# Allegro board LED_FIN.brd (continued)
## Routing (per net, layer and track width the routed paths; a pad name or vN(x,y) marks a point on that pad's centre or on a via; arc(x,y) is an arc through that point) (continued)
COL_OUT_C118: length 257.4
  TOP w0.15: D10142.1 v1(41.25,172.8) ; D9362.1 v1(41.25,224.8) ; D9512.1 v1(41.25,214.8) ; D9152.1 v1(41.25,238.8) ; D10022.1 v1(41.25,180.8) ; D9602.1 v1(41.25,208.8) ; D9572.1 v1(41.25,210.8) ; D9902.1 v1(41.25,188.8) ; R242.1 40.7,10.6 v1(41.25,10.6) ; D9182.1 v1(41.25,236.8) ; D9752.1 v1(41.25,198.8) ; D9422.1 v1(41.25,220.8) ; D9662.1 v1(41.25,204.8) ; D9692.1 v1(41.25,202.8) ; D9722.1 v1(41.25,200.8) ; D9542.1 v1(41.25,212.8) ; D9332.1 v1(41.25,226.8) ; D9212.1 v1(41.25,234.8) ; D9392.1 v1(41.25,222.8) ; D9302.1 v1(41.25,228.8) ; D9962.1 v1(41.25,184.8) ; D9242.1 v1(41.25,232.8) ; D9932.1 v1(41.25,186.8) ; D9842.1 v1(41.25,192.8) ; D9812.1 v1(41.25,194.8) ; D10082.1 v1(41.25,176.8) ; D9122.1 v1(41.25,240.8) ; D9482.1 v1(41.25,216.8) ; D9872.1 v1(41.25,190.8) ; D10052.1 v1(41.25,178.8) ; D9452.1 v1(41.25,218.8) ; D10112.1 v1(41.25,174.8) ; D10172.1 v1(41.25,170.8) ; D10202.1 v1(41.25,168.8) ; D9632.1 v1(41.25,206.8) ; D10232.1 v1(41.25,166.8) ; D9992.1 v1(41.25,182.8) ; D9272.1 v1(41.25,230.8) ; D9782.1 v1(41.25,196.8)
  BOTTOM w0.15: v1(41.25,240.8) v1(41.25,238.8) v1(41.25,236.8) v1(41.25,234.8) v1(41.25,232.8) v1(41.25,230.8) v1(41.25,228.8) v1(41.25,226.8) v1(41.25,224.8) v1(41.25,222.8) v1(41.25,220.8) v1(41.25,218.8) v1(41.25,216.8) v1(41.25,214.8) v1(41.25,212.8) v1(41.25,210.8) v1(41.25,208.8) v1(41.25,206.8) v1(41.25,204.8) v1(41.25,202.8) v1(41.25,200.8) v1(41.25,198.8) v1(41.25,196.8) v1(41.25,194.8) v1(41.25,192.8) v1(41.25,190.8) v1(41.25,188.8) v1(41.25,186.8) v1(41.25,184.8) v1(41.25,182.8) v1(41.25,180.8) v1(41.25,178.8) v1(41.25,176.8) v1(41.25,174.8) v1(41.25,172.8) v1(41.25,170.8) v1(41.25,168.8) v1(41.25,166.8) v1(41.25,10.6)
COL_OUT_C119: length 257.4
  TOP w0.15: D9661.1 v1(39.25,204.8) ; D9751.1 v1(39.25,198.8) ; D9451.1 v1(39.25,218.8) ; D9361.1 v1(39.25,224.8) ; D10051.1 v1(39.25,178.8) ; D9181.1 v1(39.25,236.8) ; D9481.1 v1(39.25,216.8) ; D9541.1 v1(39.25,212.8) ; D10021.1 v1(39.25,180.8) ; D9121.1 v1(39.25,240.8) ; D9241.1 v1(39.25,232.8) ; D10231.1 v1(39.25,166.8) ; D9511.1 v1(39.25,214.8) ; D10141.1 v1(39.25,172.8) ; D9301.1 v1(39.25,228.8) ; D9691.1 v1(39.25,202.8) ; D9331.1 v1(39.25,226.8) ; D9271.1 v1(39.25,230.8) ; D9871.1 v1(39.25,190.8) ; D10171.1 v1(39.25,170.8) ; R241.1 38.7,10.6 v1(39.25,10.6) ; D9811.1 v1(39.25,194.8) ; D9601.1 v1(39.25,208.8) ; D9781.1 v1(39.25,196.8) ; D9721.1 v1(39.25,200.8) ; D9631.1 v1(39.25,206.8) ; D10201.1 v1(39.25,168.8) ; D10081.1 v1(39.25,176.8) ; D9571.1 v1(39.25,210.8) ; D9421.1 v1(39.25,220.8) ; D9151.1 v1(39.25,238.8) ; D9991.1 v1(39.25,182.8) ; D9961.1 v1(39.25,184.8) ; D10111.1 v1(39.25,174.8) ; D9391.1 v1(39.25,222.8) ; D9841.1 v1(39.25,192.8) ; D9931.1 v1(39.25,186.8) ; D9211.1 v1(39.25,234.8) ; D9901.1 v1(39.25,188.8)
  BOTTOM w0.15: v1(39.25,240.8) v1(39.25,238.8) v1(39.25,236.8) v1(39.25,234.8) v1(39.25,232.8) v1(39.25,230.8) v1(39.25,228.8) v1(39.25,226.8) v1(39.25,224.8) v1(39.25,222.8) v1(39.25,220.8) v1(39.25,218.8) v1(39.25,216.8) v1(39.25,214.8) v1(39.25,212.8) v1(39.25,210.8) v1(39.25,208.8) v1(39.25,206.8) v1(39.25,204.8) v1(39.25,202.8) v1(39.25,200.8) v1(39.25,198.8) v1(39.25,196.8) v1(39.25,194.8) v1(39.25,192.8) v1(39.25,190.8) v1(39.25,188.8) v1(39.25,186.8) v1(39.25,184.8) v1(39.25,182.8) v1(39.25,180.8) v1(39.25,178.8) v1(39.25,176.8) v1(39.25,174.8) v1(39.25,172.8) v1(39.25,170.8) v1(39.25,168.8) v1(39.25,166.8) v1(39.25,10.6)
DC_FPGA: length 167.8
  TOP w2.5: J10.1 J12.1
  BOTTOM w0.9: 21.7,39.1 SW1.2
  BOTTOM w2.5: J12.1 35.45,7.3
  BOTTOM w3: 35.45,7.3 35.45,38.1 34.45,39.1 21.7,39.1
DC_LED: length 58.4
  TOP w0.279: 21.8,26.64 U515.1
  TOP w0.4: 28.95,18.59 M1.3
  TOP w0.5: 20.55,29.5 CVCC.1 ; 33.95,32.55 RPOWER.1
  TOP w0.6: CIN.1 20.55,31.3
  TOP w1.5: 32.2,35.85 25.1,35.85 20.55,31.3 20.55,29.5 v2(22.25,29.5) ; 32.2,35.85 v2(33,35.85) 35.1,35.85 35.2,35.75 35.2,33.8 33.95,32.55 ; 32.2,35.85 32.2,38.55 DS1.2 ; v2(33,18.8) 29.75,18.8 29.68,18.73 29.09,18.73 28.95,18.59 ; v2(22.25,26.64) 21.8,26.64
  BOTTOM w1.5: v2(33,18.8) v2(33,35.85) ; v2(22.25,29.5) v2(22.25,26.64)
ROW_CON_A0: length 267.5
  TOP w0.2: J1.1 33.4,93.15 33.35,93.2 33.35,316.4 35.8,318.85 U38.2
ROW_CON_A1: length 272.1
  TOP w0.2: U37.2 35.8,320.85 32.65,317.7 32.65,91.71 32.73,91.63 73.2,91.63 73.45,91.88 J1.2
ROW_CON_A2: length 276.5
  TOP w0.2: J1.3 73.45,90.61 73.2,90.36 32.13,90.36 32.05,90.44 32.05,319.55 35.35,322.85 U36.2
ROW_CON_A3: length 282.7
  TOP w0.2: U35.2 31.65,324.85 31.45,324.65 31.45,89.17 31.53,89.09 73.2,89.09 73.45,89.34 J1.4
ROW_CON_A4: length 287.2
  TOP w0.2: U34.2 31.05,326.85 30.85,326.65 30.85,87.9 30.93,87.82 73.2,87.82 73.45,88.07 J1.5
ROW_CON_A5: length 291.7
  TOP w0.2: J1.6 73.45,86.8 73.2,86.55 30.33,86.55 30.25,86.63 30.25,328.65 30.45,328.85 U33.2
ROW_CON_A6: length 296.2
  TOP w0.2: U32.2 29.85,330.85 29.65,330.65 29.65,85.36 29.73,85.28 73.2,85.28 73.45,85.53 J1.7
ROW_CON_A7: length 300.6
  TOP w0.2: U31.2 29.25,332.85 29.05,332.65 29.05,84.09 29.13,84.01 73.2,84.01 73.45,84.26 J1.8
ROW_CON_A8: length 305.1
  TOP w0.2: J1.9 73.45,82.99 73.2,82.74 28.53,82.74 28.45,82.82 28.45,334.65 28.65,334.85 U30.2
ROW_CON_A9: length 309.6
  TOP w0.2: J1.10 73.45,81.72 73.2,81.47 27.93,81.47 27.85,81.55 27.85,336.65 28.05,336.85 U29.2
ROW_CON_A10: length 314
  TOP w0.2: U28.2 27.45,338.85 27.25,338.65 27.25,80.28 27.33,80.2 73.2,80.2 73.45,80.45 J1.11
ROW_CON_A11: length 318.5
  TOP w0.2: U27.2 26.85,340.85 26.65,340.65 26.65,79.01 26.73,78.93 73.2,78.93 73.45,79.18 J1.12
ROW_CON_A12: length 323
  TOP w0.2: U26.2 26.25,342.85 26.05,342.65 26.05,77.74 26.13,77.66 73.2,77.66 73.45,77.91 J1.13
ROW_CON_A13: length 327.4
  TOP w0.2: J1.14 73.45,76.64 73.2,76.39 25.53,76.39 25.45,76.47 25.45,344.65 25.65,344.85 U25.2
ROW_CON_A14: length 331.9
  TOP w0.2: U24.2 25.05,346.85 24.85,346.65 24.85,75.2 24.93,75.12 73.2,75.12 73.45,75.37 J1.15
ROW_CON_A15: length 336.4
  TOP w0.2: U23.2 24.45,348.85 24.25,348.65 24.25,73.93 24.33,73.85 73.2,73.85 73.45,74.1 J1.16
ROW_CON_A16: length 340.9
  TOP w0.2: J1.17 73.45,72.83 73.2,72.58 23.73,72.58 23.65,72.66 23.65,350.65 23.85,350.85 U22.2
ROW_CON_A17: length 345.3
  TOP w0.2: U21.2 23.25,352.85 23.05,352.65 23.05,71.39 23.13,71.31 73.2,71.31 73.45,71.56 J1.18
ROW_CON_A18: length 349.7
  TOP w0.2: U20.2 22.65,354.85 22.5,354.7 22.5,70.14 22.55,70.09 73.25,70.09 73.45,70.29 J1.19
ROW_CON_A19: length 353.5
  TOP w0.2: J1.20 22.15,69.02 22.1,69.07 22.1,356.8 22.15,356.85 U19.2
ROW_CON_A20: length 358
  TOP w0.2: U18.2 21.55,358.85 21.5,358.8 21.5,67.8 21.55,67.75 J1.21
ROW_CON_A21: length 362.5
  TOP w0.2: U17.2 20.95,360.85 20.9,360.8 20.9,66.53 20.95,66.48 J1.22
ROW_CON_A22: length 366.9
  TOP w0.2: J1.23 20.35,65.21 20.3,65.26 20.3,362.8 20.35,362.85 U16.2
ROW_CON_A23: length 371.4
  TOP w0.2: J1.24 19.75,63.94 19.7,63.99 19.7,364.8 19.75,364.85 U15.2
ROW_CON_A24: length 375.9
  TOP w0.2: J1.25 19.15,62.67 19.1,62.72 19.1,366.8 19.15,366.85 U14.2
ROW_CON_A25: length 380.3
  TOP w0.2: U13.2 18.55,368.85 18.5,368.8 18.5,61.45 18.55,61.4 J1.26
ROW_CON_A26: length 384.8
  TOP w0.2: U12.2 17.95,370.85 17.9,370.8 17.9,60.18 17.95,60.13 J1.27
ROW_CON_A27: length 389.3
  TOP w0.2: J1.28 17.35,58.86 17.3,58.91 17.3,372.8 17.35,372.85 U11.2
ROW_CON_A28: length 393.8
  TOP w0.2: J1.29 16.75,57.59 16.7,57.64 16.7,374.8 16.75,374.85 U10.2
ROW_CON_A29: length 398.2
  TOP w0.2: U9.2 16.15,376.85 16.1,376.8 16.1,56.37 16.15,56.32 J1.30
ROW_CON_A30: length 402.7
  TOP w0.2: U8.2 15.55,378.85 15.5,378.8 15.5,55.1 15.55,55.05 J1.31
ROW_CON_A31: length 407.2
  TOP w0.2: U7.2 14.95,380.85 14.9,380.8 14.9,53.83 14.95,53.78 J1.32
ROW_CON_A32: length 411.6
  TOP w0.2: J1.33 14.35,52.51 14.3,52.56 14.3,382.8 14.35,382.85 U6.2
ROW_CON_A33: length 416.1
  TOP w0.2: U5.2 13.75,384.85 13.7,384.8 13.7,51.29 13.75,51.24 J1.34
ROW_CON_A34: length 420.6
  TOP w0.2: U4.2 13.15,386.85 13.1,386.8 13.1,50.02 13.15,49.97 J1.35
ROW_CON_A35: length 425
  TOP w0.2: U3.2 12.55,388.85 12.5,388.8 12.5,48.75 12.55,48.7 J1.36
ROW_CON_A36: length 429.5
  TOP w0.2: J1.37 11.95,47.43 11.9,47.48 11.9,390.8 11.95,390.85 U2.2
ROW_CON_A37: length 434
  TOP w0.2: J1.38 11.35,46.16 11.3,46.21 11.3,392.8 11.35,392.85 U1.2
ROW_CON_B0: length 194.7
  TOP w0.2: U76.2 277.75,242.4 277.85,242.3 281.55,242.3 281.7,242.15 281.7,93.2 281.65,93.15 J2.41
ROW_CON_B1: length 199.6
  TOP w0.2: U75.2 277.75,244.4 277.85,244.3 282.15,244.3 282.35,244.1 282.35,91.71 282.27,91.63 241.37,91.63 241.12,91.88 J2.42
ROW_CON_B2: length 204.1
  TOP w0.2: U74.2 277.75,246.4 277.85,246.3 282.75,246.3 282.95,246.1 282.95,90.44 282.87,90.36 241.37,90.36 241.12,90.61 J2.43
ROW_CON_B3: length 208.5
  TOP w0.2: U73.2 277.75,248.4 277.85,248.3 283.35,248.3 283.55,248.1 283.55,89.17 283.47,89.09 241.37,89.09 241.12,89.34 J2.44
ROW_CON_B4: length 213
  TOP w0.2: U72.2 277.75,250.4 277.85,250.3 283.95,250.3 284.15,250.1 284.15,87.9 284.07,87.82 241.37,87.82 241.12,88.07 J2.45
ROW_CON_B5: length 217.5
  TOP w0.2: J2.46 241.12,86.8 241.37,86.55 284.67,86.55 284.75,86.63 284.75,252.1 284.55,252.3 277.85,252.3 277.75,252.4 U71.2
ROW_CON_B6: length 221.9
  TOP w0.2: U70.2 277.75,254.4 277.85,254.3 285.15,254.3 285.35,254.1 285.35,85.36 285.27,85.28 241.37,85.28 241.12,85.53 J2.47
ROW_CON_B7: length 226.4
  TOP w0.2: U69.2 277.75,256.4 277.85,256.3 285.75,256.3 285.95,256.1 285.95,84.09 285.87,84.01 241.37,84.01 241.12,84.26 J2.48
ROW_CON_B8: length 230.9
  TOP w0.2: J2.49 241.12,82.99 241.37,82.74 286.47,82.74 286.55,82.82 286.55,258.1 286.35,258.3 277.85,258.3 277.75,258.4 U68.2
ROW_CON_B9: length 235.3
  TOP w0.2: U67.2 277.75,260.4 277.85,260.3 286.95,260.3 287.15,260.1 287.15,81.55 287.07,81.47 241.37,81.47 241.12,81.72 J2.50
ROW_CON_B10: length 239.8
  TOP w0.2: U66.2 277.75,262.4 277.85,262.3 287.55,262.3 287.75,262.1 287.75,80.28 287.67,80.2 241.37,80.2 241.12,80.45 J2.51
ROW_CON_B11: length 244.3
  TOP w0.2: J2.52 241.12,79.18 241.37,78.93 288.27,78.93 288.35,79.01 288.35,264.1 288.15,264.3 277.85,264.3 277.75,264.4 U65.2
ROW_CON_B12: length 248.8
  TOP w0.2: U64.2 277.75,266.4 277.85,266.3 288.75,266.3 288.95,266.1 288.95,77.74 288.87,77.66 241.37,77.66 241.12,77.91 J2.53
ROW_CON_B13: length 253.2
  TOP w0.2: J2.54 241.12,76.64 241.37,76.39 289.47,76.39 289.55,76.47 289.55,268.1 289.35,268.3 277.85,268.3 277.75,268.4 U63.2
ROW_CON_B14: length 257.7
  TOP w0.2: U62.2 277.75,270.4 277.85,270.3 289.95,270.3 290.15,270.1 290.15,75.2 290.07,75.12 241.37,75.12 241.12,75.37 J2.55
ROW_CON_B15: length 262.2
  TOP w0.2: U61.2 277.75,272.4 277.85,272.3 290.55,272.3 290.75,272.1 290.75,73.93 290.67,73.85 241.37,73.85 241.12,74.1 J2.56
ROW_CON_B16: length 266.6
  TOP w0.2: J2.57 241.12,72.83 241.37,72.58 291.27,72.58 291.35,72.66 291.35,274.1 291.15,274.3 277.85,274.3 277.75,274.4 U60.2
ROW_CON_B17: length 271.1
  TOP w0.2: J2.58 241.12,71.56 241.37,71.31 291.87,71.31 291.95,71.39 291.95,276.1 291.75,276.3 277.85,276.3 277.75,276.4 U59.2
ROW_CON_B18: length 275.4
  TOP w0.2: U58.2 277.75,278.4 277.85,278.3 292.35,278.3 292.5,278.15 292.5,70.14 292.45,70.09 241.32,70.09 241.12,70.29 J2.59
ROW_CON_B19: length 279.3
  TOP w0.2: J2.60 292.85,69.02 292.9,69.07 292.9,280.25 292.85,280.3 277.85,280.3 277.75,280.4 U57.2
ROW_CON_B20: length 283.8
  TOP w0.2: U56.2 277.75,282.4 277.85,282.3 293.45,282.3 293.5,282.25 293.5,67.8 293.45,67.75 J2.61
ROW_CON_B21: length 288.2
  TOP w0.2: U55.2 277.75,284.4 277.85,284.3 294.05,284.3 294.1,284.25 294.1,66.53 294.05,66.48 J2.62
ROW_CON_B22: length 292.7
  TOP w0.2: J2.63 294.65,65.21 294.7,65.26 294.7,286.25 294.65,286.3 277.85,286.3 277.75,286.4 U54.2
ROW_CON_B23: length 297.2
  TOP w0.2: U53.2 277.75,288.4 277.85,288.3 295.25,288.3 295.3,288.25 295.3,63.99 295.25,63.94 J2.64
ROW_CON_B24: length 301.6
  TOP w0.2: U52.2 277.75,290.4 277.85,290.3 295.85,290.3 295.9,290.25 295.9,62.72 295.85,62.67 J2.65
ROW_CON_B25: length 306.1
  TOP w0.2: J2.66 296.45,61.4 296.5,61.45 296.5,292.25 296.45,292.3 277.85,292.3 277.75,292.4 U51.2
ROW_CON_B26: length 310.6
  TOP w0.2: U50.2 277.75,294.4 277.85,294.3 297.05,294.3 297.1,294.25 297.1,60.18 297.05,60.13 J2.67
ROW_CON_B27: length 315.1
  TOP w0.2: U49.2 277.75,296.4 277.85,296.3 297.65,296.3 297.7,296.25 297.7,58.91 297.65,58.86 J2.68
ROW_CON_B28: length 319.5
  TOP w0.2: U48.2 277.75,298.4 277.85,298.3 298.25,298.3 298.3,298.25 298.3,57.64 298.25,57.59 J2.69
ROW_CON_B29: length 324
  TOP w0.2: J2.70 298.85,56.32 298.9,56.37 298.9,300.25 298.85,300.3 277.85,300.3 277.75,300.4 U47.2
ROW_CON_B30: length 328.5
  TOP w0.2: U46.2 277.75,302.4 277.85,302.3 299.45,302.3 299.5,302.25 299.5,55.1 299.45,55.05 J2.71
ROW_CON_B31: length 332.9
  TOP w0.2: U45.2 277.75,304.4 277.85,304.3 300.05,304.3 300.1,304.25 300.1,53.83 300.05,53.78 J2.72
ROW_CON_B32: length 337.4
  TOP w0.2: J2.73 300.65,52.51 300.7,52.56 300.7,306.25 300.65,306.3 277.85,306.3 277.75,306.4 U44.2
ROW_CON_B33: length 341.9
  TOP w0.2: J2.74 301.25,51.24 301.3,51.29 301.3,308.25 301.25,308.3 277.85,308.3 277.75,308.4 U43.2
ROW_CON_B34: length 346.3
  TOP w0.2: J2.75 301.85,49.97 301.9,50.02 301.9,310.25 301.85,310.3 277.85,310.3 277.75,310.4 U42.2
ROW_CON_B35: length 350.8
  TOP w0.2: J2.76 302.45,48.7 302.5,48.75 302.5,312.25 302.45,312.3 277.85,312.3 277.75,312.4 U41.2
ROW_CON_B36: length 355.3
  TOP w0.2: J2.77 303.05,47.43 303.1,47.48 303.1,314.25 303.05,314.3 277.85,314.3 277.75,314.4 U40.2
ROW_CON_B37: length 359.8
  TOP w0.2: J2.78 303.65,46.16 303.7,46.21 303.7,316.25 303.65,316.3 277.85,316.3 277.75,316.4 U39.2
ROW_CON_C0: length 112.8
  TOP w0.15: J1.41 74.72,93.8 38.1,93.8 34.25,97.65 34.25,162.63 35.85,164.23 U86.2
ROW_CON_C1: length 121.3
  TOP w0.15: J1.42 74.75,92.5 34.07,92.5 33.8,92.23 v2(33.25,92.23) ; U85.2 v2(33.9,168.85)
  BOTTOM w0.15: v2(33.25,92.23) 33.25,168.2 v2(33.9,168.85)
ROW_CON_C2: length 125.4
  TOP w0.15: J1.43 74.75,91.23 33.47,91.23 33.2,90.96 v2(32.65,90.96) ; U84.2 v2(33.9,170.85)
  BOTTOM w0.15: v2(33.9,170.85) 32.65,169.6 v2(32.65,90.96)
ROW_CON_C3: length 129.6
  TOP w0.15: U83.2 v2(33.9,172.85) ; J1.44 74.75,89.96 32.87,89.96 32.6,89.69 v2(32.05,89.69)
  BOTTOM w0.15: v2(33.9,172.85) 32.05,171 v2(32.05,89.69)
ROW_CON_C4: length 133.7
  TOP w0.15: v2(31.45,88.42) 32,88.42 32.27,88.69 74.75,88.69 J1.45 ; U82.2 v2(33.9,174.85)
  BOTTOM w0.15: v2(33.9,174.85) 31.45,172.4 v2(31.45,88.42)
ROW_CON_C5: length 137.8
  TOP w0.15: v2(30.85,87.15) 31.4,87.15 31.67,87.42 74.75,87.42 J1.46 ; U81.2 v2(33.9,176.85)
  BOTTOM w0.15: v2(30.85,87.15) 30.85,173.8 v2(33.9,176.85)
ROW_CON_C6: length 143.9
  TOP w0.15: J1.47 74.75,86.15 31.07,86.15 30.8,85.88 v2(30.25,85.88) ; U80.2 v2(33.9,178.85)
  BOTTOM w0.15: v2(33.9,178.85) 30.45,178.85 30.25,178.65 v2(30.25,85.88)
ROW_CON_C7: length 148.4
  TOP w0.15: U79.2 v2(33.9,180.85) ; v2(29.65,84.61) 30.2,84.61 30.47,84.88 74.75,84.88 J1.48
  BOTTOM w0.15: v2(29.65,84.61) 29.65,180.65 29.85,180.85 v2(33.9,180.85)
ROW_CON_C8: length 152.9
  TOP w0.15: v2(29.05,83.34) 29.6,83.34 29.87,83.61 74.75,83.61 J1.49 ; U78.2 v2(33.9,182.85)
  BOTTOM w0.15: v2(33.9,182.85) 29.25,182.85 29.05,182.65 v2(29.05,83.34)
ROW_CON_C9: length 157.4
  TOP w0.15: v2(28.45,82.07) 29,82.07 29.27,82.34 74.75,82.34 J1.50 ; U77.2 v2(33.9,184.85)
  BOTTOM w0.15: v2(28.45,82.07) 28.45,184.65 28.65,184.85 v2(33.9,184.85)
ROW_CON_C10: length 161.8
  TOP w0.15: U114.2 v2(33.9,186.85) ; v2(27.85,80.8) 28.4,80.8 28.67,81.07 74.75,81.07 J1.51
  BOTTOM w0.15: v2(33.9,186.85) 28.05,186.85 27.85,186.65 v2(27.85,80.8)
ROW_CON_C11: length 166.3
  TOP w0.15: U113.2 v2(33.9,188.85) ; J1.52 74.75,79.8 28.07,79.8 27.8,79.53 v2(27.25,79.53)
  BOTTOM w0.15: v2(33.9,188.85) 27.45,188.85 27.25,188.65 v2(27.25,79.53)
ROW_CON_C12: length 170.8
  TOP w0.15: U112.2 v2(33.9,190.85) ; J1.53 74.75,78.53 27.47,78.53 27.2,78.26 v2(26.65,78.26)
  BOTTOM w0.15: v2(33.9,190.85) 26.85,190.85 26.65,190.65 v2(26.65,78.26)
ROW_CON_C13: length 175.2
  TOP w0.15: U111.2 v2(33.9,192.85) ; v2(26.05,76.99) 26.6,76.99 26.87,77.26 74.75,77.26 J1.54
  BOTTOM w0.15: v2(26.05,76.99) 26.05,192.65 26.25,192.85 v2(33.9,192.85)
ROW_CON_C14: length 179.7
  TOP w0.15: v2(25.45,75.72) 26,75.72 26.27,75.99 74.75,75.99 J1.55 ; U110.2 v2(33.9,194.85)
  BOTTOM w0.15: v2(25.45,75.72) 25.45,194.65 25.65,194.85 v2(33.9,194.85)
ROW_CON_C15: length 184.2
  TOP w0.15: U109.2 v2(33.9,196.85) ; J1.56 74.75,74.72 25.67,74.72 25.4,74.45 v2(24.85,74.45)
  BOTTOM w0.15: v2(24.85,74.45) 24.85,196.65 25.05,196.85 v2(33.9,196.85)
ROW_CON_C16: length 188.6
  TOP w0.15: J1.57 74.75,73.45 25.07,73.45 24.8,73.18 v2(24.25,73.18) ; U108.2 v2(33.9,198.85)
  BOTTOM w0.15: v2(33.9,198.85) 24.45,198.85 24.25,198.65 v2(24.25,73.18)
ROW_CON_C17: length 193.1
  TOP w0.15: U107.2 v2(33.9,200.85) ; J1.58 74.75,72.18 24.47,72.18 24.2,71.91 v2(23.65,71.91)
  BOTTOM w0.15: v2(33.9,200.85) 23.85,200.85 23.65,200.65 v2(23.65,71.91)
ROW_CON_C18: length 197.6
  TOP w0.15: J1.59 74.75,70.91 23.87,70.91 23.6,70.64 v2(23.05,70.64) ; U106.2 v2(33.9,202.85)
  BOTTOM w0.15: v2(23.05,70.64) 23.05,202.65 23.25,202.85 v2(33.9,202.85)
ROW_CON_C19: length 152.3
  TOP w0.15: U105.2 277.8,204.85 281.15,201.5 281.15,97.85 277.07,93.77 239.82,93.77 J2.1
ROW_CON_C20: length 161.1
  TOP w0.15: U104.2 277.75,206.4 277.85,206.3 v2(281.15,206.3) ; v2(281.75,92.23) 281.2,92.23 280.93,92.5 239.82,92.5 J2.2
  BOTTOM w0.15: v2(281.15,206.3) 281.75,205.7 v2(281.75,92.23)
ROW_CON_C21: length 165.2
  TOP w0.15: U103.2 277.75,208.4 277.85,208.3 v2(281.15,208.3) ; J2.3 239.82,91.23 281.53,91.23 281.8,90.96 v2(282.35,90.96)
  BOTTOM w0.15: v2(281.15,208.3) 282.35,207.1 v2(282.35,90.96)
ROW_CON_C22: length 169.4
  TOP w0.15: U102.2 277.75,210.4 277.85,210.3 v2(281.15,210.3) ; J2.4 239.82,89.96 282.13,89.96 282.4,89.69 v2(282.95,89.69)
  BOTTOM w0.15: v2(281.15,210.3) 282.95,208.5 v2(282.95,89.69)
ROW_CON_C23: length 173.5
  TOP w0.15: v2(283.55,88.42) 283,88.42 282.73,88.69 239.82,88.69 J2.5 ; U101.2 277.75,212.4 277.85,212.3 v2(281.15,212.3)
  BOTTOM w0.15: v2(283.55,88.42) 283.55,209.9 v2(281.15,212.3)
ROW_CON_C24: length 177.6
  TOP w0.15: v2(281.15,214.3) 277.85,214.3 277.75,214.4 U100.2 ; J2.6 239.82,87.42 283.33,87.42 283.6,87.15 v2(284.15,87.15)
  BOTTOM w0.15: v2(284.15,87.15) 284.15,211.3 v2(281.15,214.3)
ROW_CON_C25: length 181.7
  TOP w0.15: J2.7 239.82,86.15 283.93,86.15 284.2,85.88 v2(284.75,85.88) ; v2(281.15,216.3) 277.85,216.3 277.75,216.4 U99.2
  BOTTOM w0.15: v2(281.15,216.3) 284.75,212.7 v2(284.75,85.88)
ROW_CON_C26: length 188.2
  TOP w0.15: U98.2 277.75,218.4 277.85,218.3 v2(281.15,218.3) ; J2.8 239.82,84.88 284.53,84.88 284.8,84.61 v2(285.35,84.61)
  BOTTOM w0.15: v2(285.35,84.61) 285.35,218.1 285.15,218.3 v2(281.15,218.3)
ROW_CON_C27: length 192.7
  TOP w0.15: U97.2 277.75,220.4 277.85,220.3 v2(281.15,220.3) ; v2(285.95,83.34) 285.4,83.34 285.13,83.61 239.82,83.61 J2.9
  BOTTOM w0.15: v2(281.15,220.3) 285.75,220.3 285.95,220.1 v2(285.95,83.34)
ROW_CON_C28: length 197.1
  TOP w0.15: v2(286.55,82.07) 286,82.07 285.73,82.34 239.82,82.34 J2.10 ; v2(281.15,222.3) 277.85,222.3 277.75,222.4 U96.2
  BOTTOM w0.15: v2(286.55,82.07) 286.55,222.1 286.35,222.3 v2(281.15,222.3)
ROW_CON_C29: length 201.6
  TOP w0.15: v2(287.15,80.8) 286.6,80.8 286.33,81.07 239.82,81.07 J2.11 ; v2(281.15,224.3) 277.85,224.3 277.75,224.4 U95.2
  BOTTOM w0.15: v2(287.15,80.8) 287.15,224.1 286.95,224.3 v2(281.15,224.3)
ROW_CON_C30: length 206.1
  TOP w0.15: v2(287.75,79.53) 287.2,79.53 286.93,79.8 239.82,79.8 J2.12 ; U94.2 277.75,226.4 277.85,226.3 v2(281.15,226.3)
  BOTTOM w0.15: v2(287.75,79.53) 287.75,226.1 287.55,226.3 v2(281.15,226.3)
ROW_CON_C31: length 210.5
  TOP w0.15: v2(288.35,78.26) 287.8,78.26 287.53,78.53 239.82,78.53 J2.13 ; U93.2 277.75,228.4 277.85,228.3 v2(281.15,228.3)
  BOTTOM w0.15: v2(288.35,78.26) 288.35,228.1 288.15,228.3 v2(281.15,228.3)
ROW_CON_C32: length 215
  TOP w0.15: v2(288.95,76.99) 288.4,76.99 288.13,77.26 239.82,77.26 J2.14 ; v2(281.15,230.3) 277.85,230.3 277.75,230.4 U92.2
  BOTTOM w0.15: v2(281.15,230.3) 288.75,230.3 288.95,230.1 v2(288.95,76.99)
ROW_CON_C33: length 219.5
  TOP w0.15: J2.15 239.82,75.99 288.73,75.99 289,75.72 v2(289.55,75.72) ; U91.2 277.75,232.4 277.85,232.3 v2(281.15,232.3)
  BOTTOM w0.15: v2(289.55,75.72) 289.55,232.1 289.35,232.3 v2(281.15,232.3)
ROW_CON_C34: length 223.9
  TOP w0.15: v2(290.15,74.45) 289.6,74.45 289.33,74.72 239.82,74.72 J2.16 ; v2(281.15,234.3) 277.85,234.3 277.75,234.4 U90.2
  BOTTOM w0.15: v2(290.15,74.45) 290.15,234.1 289.95,234.3 v2(281.15,234.3)
ROW_CON_C35: length 228.4
  TOP w0.15: v2(290.75,73.18) 290.2,73.18 289.93,73.45 239.82,73.45 J2.17 ; v2(281.15,236.3) 277.85,236.3 277.75,236.4 U89.2
  BOTTOM w0.15: v2(290.75,73.18) 290.75,236.1 290.55,236.3 v2(281.15,236.3)
ROW_CON_C36: length 232.9
  TOP w0.15: J2.18 239.82,72.18 290.53,72.18 290.8,71.91 v2(291.35,71.91) ; v2(281.15,238.3) 277.85,238.3 277.75,238.4 U88.2
  BOTTOM w0.15: v2(281.15,238.3) 291.15,238.3 291.35,238.1 v2(291.35,71.91)
ROW_CON_C37: length 237.4
  TOP w0.15: U87.2 277.75,240.4 277.85,240.3 v2(281.15,240.3) ; v2(291.95,70.64) 291.4,70.64 291.13,70.91 239.82,70.91 J2.19
  BOTTOM w0.15: v2(291.95,70.64) 291.95,240.1 291.75,240.3 v2(281.15,240.3)
ROW_OUT_A0: length 240
  TOP w0.6: U38.1 38.35,319.7 D1111.3 D1112.3 D1113.3 D1114.3 D1115.3 D1116.3 D1117.3 D1118.3 D1119.3 D1120.3 D1121.3 D1122.3 D1123.3 D1124.3 D1125.3 D1126.3 D1127.3 D1128.3 D1129.3 D1130.3 D1131.3 D1132.3 D1133.3 D1134.3 D1135.3 D1136.3 D1137.3 D1138.3 D1139.3 D1140.3 D2251.3 D2252.3 D2253.3 D2254.3 D2255.3 D2256.3 D2257.3 D2258.3 D2259.3 D2260.3 D2261.3 D2262.3 D2263.3 D2264.3 D2265.3 D2266.3 D2267.3 D2268.3 D2269.3 D2270.3 D2271.3 D2272.3 D2273.3 D2274.3 D2275.3 D2276.3 D2277.3 D2278.3 D2279.3 D2280.3 D3391.3 D3392.3 D3393.3 D3394.3 D3395.3 D3396.3 D3397.3 D3398.3 D3399.3 D3400.3 D3401.3 D3402.3 D3403.3 D3404.3 D3405.3 D3406.3 D3407.3 D3408.3 D3409.3 D3410.3 D3411.3 D3412.3 D3413.3 D3414.3 D3415.3 D3416.3 D3417.3 D3418.3 D3419.3 D3420.3 D4531.3 D4532.3 D4533.3 D4534.3 D4535.3 D4536.3 D4537.3 D4538.3 D4539.3 D4540.3 D4541.3 D4542.3 D4543.3 D4544.3 D4545.3 D4546.3 D4547.3 D4548.3 D4549.3 D4550.3 D4551.3 D4552.3 D4553.3 D4554.3 D4555.3 D4556.3 D4557.3 D4558.3 D4559.3 D4560.3
ROW_OUT_A1: length 240
  TOP w0.6: U37.1 38.35,321.7 D1081.3 D1082.3 D1083.3 D1084.3 D1085.3 D1086.3 D1087.3 D1088.3 D1089.3 D1090.3 D1091.3 D1092.3 D1093.3 D1094.3 D1095.3 D1096.3 D1097.3 D1098.3 D1099.3 D1100.3 D1101.3 D1102.3 D1103.3 D1104.3 D1105.3 D1106.3 D1107.3 D1108.3 D1109.3 D1110.3 D2221.3 D2222.3 D2223.3 D2224.3 D2225.3 D2226.3 D2227.3 D2228.3 D2229.3 D2230.3 D2231.3 D2232.3 D2233.3 D2234.3 D2235.3 D2236.3 D2237.3 D2238.3 D2239.3 D2240.3 D2241.3 D2242.3 D2243.3 D2244.3 D2245.3 D2246.3 D2247.3 D2248.3 D2249.3 D2250.3 D3361.3 D3362.3 D3363.3 D3364.3 D3365.3 D3366.3 D3367.3 D3368.3 D3369.3 D3370.3 D3371.3 D3372.3 D3373.3 D3374.3 D3375.3 D3376.3 D3377.3 D3378.3 D3379.3 D3380.3 D3381.3 D3382.3 D3383.3 D3384.3 D3385.3 D3386.3 D3387.3 D3388.3 D3389.3 D3390.3 D4501.3 D4502.3 D4503.3 D4504.3 D4505.3 D4506.3 D4507.3 D4508.3 D4509.3 D4510.3 D4511.3 D4512.3 D4513.3 D4514.3 D4515.3 D4516.3 D4517.3 D4518.3 D4519.3 D4520.3 D4521.3 D4522.3 D4523.3 D4524.3 D4525.3 D4526.3 D4527.3 D4528.3 D4529.3 D4530.3
ROW_OUT_A2: length 240
  TOP w0.6: U36.1 38.35,323.7 D1051.3 D1052.3 D1053.3 D1054.3 D1055.3 D1056.3 D1057.3 D1058.3 D1059.3 D1060.3 D1061.3 D1062.3 D1063.3 D1064.3 D1065.3 D1066.3 D1067.3 D1068.3 D1069.3 D1070.3 D1071.3 D1072.3 D1073.3 D1074.3 D1075.3 D1076.3 D1077.3 D1078.3 D1079.3 D1080.3 D2191.3 D2192.3 D2193.3 D2194.3 D2195.3 D2196.3 D2197.3 D2198.3 D2199.3 D2200.3 D2201.3 D2202.3 D2203.3 D2204.3 D2205.3 D2206.3 D2207.3 D2208.3 D2209.3 D2210.3 D2211.3 D2212.3 D2213.3 D2214.3 D2215.3 D2216.3 D2217.3 D2218.3 D2219.3 D2220.3 D3331.3 D3332.3 D3333.3 D3334.3 D3335.3 D3336.3 D3337.3 D3338.3 D3339.3 D3340.3 D3341.3 D3342.3 D3343.3 D3344.3 D3345.3 D3346.3 D3347.3 D3348.3 D3349.3 D3350.3 D3351.3 D3352.3 D3353.3 D3354.3 D3355.3 D3356.3 D3357.3 D3358.3 D3359.3 D3360.3 D4471.3 D4472.3 D4473.3 D4474.3 D4475.3 D4476.3 D4477.3 D4478.3 D4479.3 D4480.3 D4481.3 D4482.3 D4483.3 D4484.3 D4485.3 D4486.3 D4487.3 D4488.3 D4489.3 D4490.3 D4491.3 D4492.3 D4493.3 D4494.3 D4495.3 D4496.3 D4497.3 D4498.3 D4499.3 D4500.3
ROW_OUT_A3: length 240
  TOP w0.6: U35.1 38.35,325.7 D1021.3 D1022.3 D1023.3 D1024.3 D1025.3 D1026.3 D1027.3 D1028.3 D1029.3 D1030.3 D1031.3 D1032.3 D1033.3 D1034.3 D1035.3 D1036.3 D1037.3 D1038.3 D1039.3 D1040.3 D1041.3 D1042.3 D1043.3 D1044.3 D1045.3 D1046.3 D1047.3 D1048.3 D1049.3 D1050.3 D2161.3 D2162.3 D2163.3 D2164.3 D2165.3 D2166.3 D2167.3 D2168.3 D2169.3 D2170.3 D2171.3 D2172.3 D2173.3 D2174.3 D2175.3 D2176.3 D2177.3 D2178.3 D2179.3 D2180.3 D2181.3 D2182.3 D2183.3 D2184.3 D2185.3 D2186.3 D2187.3 D2188.3 D2189.3 D2190.3 D3301.3 D3302.3 D3303.3 D3304.3 D3305.3 D3306.3 D3307.3 D3308.3 D3309.3 D3310.3 D3311.3 D3312.3 D3313.3 D3314.3 D3315.3 D3316.3 D3317.3 D3318.3 D3319.3 D3320.3 D3321.3 D3322.3 D3323.3 D3324.3 D3325.3 D3326.3 D3327.3 D3328.3 D3329.3 D3330.3 D4441.3 D4442.3 D4443.3 D4444.3 D4445.3 D4446.3 D4447.3 D4448.3 D4449.3 D4450.3 D4451.3 D4452.3 D4453.3 D4454.3 D4455.3 D4456.3 D4457.3 D4458.3 D4459.3 D4460.3 D4461.3 D4462.3 D4463.3 D4464.3 D4465.3 D4466.3 D4467.3 D4468.3 D4469.3 D4470.3
